# KiCad board 8851_HW-U1-VCU118_REV2-0_071417.kicad_pcb (continued)
## Routing (per net, layer and track width the routed paths; a pad name or vN(x,y) marks a point on that pad's centre or on a via; arc(x,y) is an arc through that point) (continued)
  TOP w0.3: 47.38,65.73 48.42,65.73 v3(48.83,66.14) ; v3(52.6,22.87) 52.4,23.06 51.16,23.06 ; 48.69,22.67 47.42,22.67 v3(47.22,22.87) ; v3(45.41,135.72) 45.66,135.96 45.66,136.68 ; v1(72,76.11) 72.37,76.48 72.83,76.48 ; 46.46,139.43 45.83,139.43 v3(45.67,139.28) ; v5(52.44,18.1) 52.2,18.34 51.16,18.34 ; 51.16,52.96 52.41,52.96 v5(52.61,52.76) ; v5(52.83,21.25) 52.28,20.7 51.16,20.7 ; v3(52.6,48.04) 52.4,48.24 51.16,48.24 ; 210.59,80.39 210.86,80.67 210.86,81.82 ; 4.05,81.02 v3(5.13,81.02) 5.35,80.8 5.85,80.8 L94.1 ; 48.69,32.12 47.96,32.12 47.61,32.46 v5(46.79,32.46) ; 48.69,20.31 46.81,20.31 v5(46.77,20.27) ; 51.16,30.15 52.41,30.15 v3(52.61,29.96) ; 51.16,27.79 52.41,27.79 v3(52.61,27.59) ; 48.69,29.76 v5(47.37,29.76) ; 48.69,45.48 46.81,45.48 v5(46.77,45.45) ; v5(52.6,43.31) 52.4,43.51 51.16,43.51 ; 210.86,102.32 210.86,101.17 210.59,100.89 ; v3(52.6,45.67) 52.4,45.87 51.16,45.87 ; v3(57.73,120.06) 57.73,119.93 U151.A1 ; 48.69,17.94 47.48,17.94 46.96,17.43 v5(46.73,17.43) ; v5(46.8,57.45) 47.28,57.45 47.43,57.29 48.69,57.29 ; 48.69,43.12 47.37,43.12 v5(46.73,42.47) ; v5(46.2,48.22) 46.4,48.03 47.24,48.03 47.42,47.84 48.69,47.84 ; 48.69,52.57 47.43,52.57 v5(47.23,52.76) ; 52.41,32.51 51.16,32.51 ; 210.86,92.07 210.86,90.92 210.59,90.64 211.31,90.64 v3(211.71,90.25) ; 48.69,54.93 v5(47.37,54.93) ; v1(73.58,76.9) 73.01,77.47 72.83,77.47 ; 210.86,112.57 210.86,111.42 210.59,111.14 ; 48.69,27.39 v5(47.37,27.39) ; J22.G1 v3(105.25,163.25)
  TOP w0.375: 98.17,82.03 v2(97.67,82.52) ; v3(40.5,141.65) 39.63,142.52 ; v2(112.44,59.88) 112.93,60.38 ; 130.65,48.57 v2(131.14,48.07) ; v3(105.72,123.14) 106.85,123.14 107.73,122.26 106.86,121.38 v3(105.72,121.38) ; 114.95,30.71 114.71,30.95 v3(114.19,30.95) 114.05,30.81 113.5,30.81 112.25,30.81 ; U111.G7 v6(14.47,133.63) ; U141.E13 v2(98.65,117.44) ; 82.26,58.55 v3(81.56,58.55) ; U142.C9 v2(77.09,119.26) ; C144.2 v3(29.96,145.03) ; 83.25,72.55 83.89,72.55 v3(84,72.44) ; J22.C33 v3(65.25,158.25) ; 230.75,111.64 226.16,111.64 v3(225.62,112.17) ; v3(139.5,101.8) 139.15,101.45 C1731.2 ; v2(130.15,42.17) 129.66,42.66 ; 14.16,109.03 14.16,110.28 14.16,111.14 v3(14,111.3) ; 51.82,123.89 v3(52.6,123.89) ; v3(63.35,81.07) 62.7,81.07 C520.2 62.7,81.94 v3(63.35,81.94) ; J26.1 196.38,128.6 ; J26.1 197.68,127.3 ; J26.1 195.41,126.33 ; J26.1 195.41,128.27 ; J26.1 197.34,126.33 ; J26.1 197.34,128.27 ; J26.1 195.07,127.3 ; v2(105.55,42.17) U1.BF13 ; v2(95.71,43.15) 96.2,43.64 ; 114.1,138.07 MH2.1 ; MH2.1 114.1,132.78 ; MH2.1 120.43,135.43 ; MH2.1 119.4,138.07 ; MH2.1 116.75,139.1 ; MH2.1 119.4,132.78 ; MH2.1 116.75,131.75 ; MH2.1 113.07,135.43 ; J24.1 171.22,143.14 ; J24.1 170.25,140.87 ; J24.1 169.28,141.21 ; J24.1 171.22,141.21 ; J24.1 169.28,143.14 ; J24.1 168.95,142.18 ; J24.1 171.55,142.18 ; J24.1 170.25,143.48 ; J22.J26 v3(74,165.75) ; v2(114.41,63.82) 114.9,64.31 ; v3(22.3,167) 22.3,168.5 21.64,169.16 20.81,169.16 20.66,169.16 20.39,168.89 20.39,168.51 21.18,167.73 v3(21.18,167.05) ; 77.58,115.81 v2(78.07,116.31) ; v2(125.23,87.44) U1.A32 ; J22.F9 v3(95.25,162) ; v3(109,23.54) 108.25,23.54 108,23.29 108,22.29 ; v2(113.42,73.66) 113.91,73.17 ; J22.K24 v3(76.5,167) ; v2(98.66,86.46) U1.B6 ; J2.D16 v3(155.4,159.5) ; v2(113.42,60.87) 113.91,61.36 ; 114.9,70.22 v2(114.41,70.71) ; 181.85,61.98 180.7,61.98 180.43,62.25 ; C1164.2 143.12,101.07 v3(143.54,101.49) ; v3(58.67,6.62) 58.71,6.57 U2.B13 ; v3(121.95,107.85) 121.16,107.85 C1737.2 121.31,106.35 v3(122,106.35) ; U1.BF44 v2(137.04,42.17) ; 229.3,41.77 230.27,40.8 ; 229.3,41.77 228,41.77 ; 229.3,41.77 228.33,42.74 ; 229.3,41.77 230.27,42.74 ; 229.3,41.77 228.33,40.8 ; U1.F8 v2(100.63,82.52) ; EMICAGE1.1 v3(171.73,119.27) ; 227.55,63.97 228.52,63 ; 227.55,63.97 228.52,64.94 ; 227.55,63.97 228.85,63.97 ; 130.65,86.95 v2(131.14,87.44) ; 42.3,121.36 42.3,122.9 41.83,123.37 v3(40.85,123.37) ; 110.96,66.28 v2(110.47,66.77) ; 66.52,54.54 66.03,54.05 v3(65.8,54.05) ; 132.62,52.5 v2(133.11,52.01) ; J22.Y36 v3(61.5,153.25) ; v2(107.52,79.57) 108.01,79.08 ; 153.5,59.5 v1(153.11,59.11) ; 229.3,44.27 230.27,43.3 ; 229.3,44.27 230.27,45.24 ; 229.3,44.27 228.33,45.24 ; 229.3,44.27 228,44.27 ; 229.3,44.27 228.33,43.3 ; 229.3,44.27 229.3,45.57 ; J2.C9 v3(164.15,158.25) ; J22.A8 v3(96.5,155.75) ; 10.93,129.3 v6(10.53,128.91) ; v2(100.63,87.44) 101.12,86.95 ; J2.F27 v3(141.65,162) ; 204.66,156.59 v3(203.91,157.34) ; v2(94.72,43.15) U1.BE2 ; v2(121.3,66.77) 120.8,66.28 ; 120.8,78.09 v2(121.3,78.59) ; J22.M24 v3(76.5,169.5) ; 110.96,68.25 v2(110.47,68.74) ; v3(116.73,103.23) 117.34,103.23 118.14,102.42 117.22,101.5 v3(116.75,101.5) ; v2(131.14,82.52) 130.65,82.03 ; J22.Z27 v3(72.75,154.5) ; 79.32,102.89 79.32,102.39 v3(79.19,102.25) ; 26.43,169.56 27.98,171.1 ; 27.98,171.1 25.87,171.1 ; 27.98,171.1 30.09,171.1 ; v2(115.39,69.73) 115.88,69.24 ; U1.P4 v2(96.69,74.65) ; J22.Y4 v3(101.5,153.25) ; J22.J38 v3(59,165.75) ; 11.72,126.94 v6(11.32,126.54) ; U141.G10 v2(95.7,115.47) ; 155.86,46.42 v1(155.47,46.81) ; 206.83,88.61 206.83,90.25 206.13,90.25 v3(205.85,89.97) ; 196.07,35.05 J38.1 ; J38.1 196.33,35.84 ; J38.1 198.09,36.02 ; J38.1 197.12,36.1 ; J38.1 197.12,33.75 ; v2(99.64,85.48) 100.13,84.98 ; J22.C32 v3(66.5,158.25) ; 116.87,77.11 v2(117.36,77.6) ; U1.R1 v2(93.74,73.66) ; J22.B6 v3(99,157) ; v2(105.55,67.76) 106.04,67.27 ; v2(99.64,47.09) 100.13,47.58 ; J22.F30 v3(69,162) ; v3(117.41,28.59) 117.62,28.81 117.62,29.68 116.25,29.68 ; 117.85,43.64 v2(118.34,43.15) 117.85,42.66 ; v3(79.05,85.54) 77.36,85.54 77.06,85.84 C1488.2 77.06,86.94 77.42,87.3 v3(79.05,87.3) ; v3(121.5,34.35) 120.11,32.96 120.11,31.76 ; 126.6,23.7 MH3.1 ; MH3.1 131.9,18.4 ; MH3.1 132.93,21.05 ; MH3.1 126.6,18.4 ; MH3.1 131.9,23.7 ; MH3.1 125.57,21.05 ; MH3.1 129.25,24.73 ; MH3.1 129.25,17.37 ; 228.33,28.3 229.3,29.27 ; 229.3,29.27 228.33,30.24 ; 229.3,29.27 230.27,30.24 ; 229.3,29.27 230.27,28.3 ; 229.3,29.27 228,29.27 ; 197.96,16.28 v3(196.64,16.28) ; 107.02,64.31 v2(106.53,63.82) ; v2(97.67,85.48) 98.17,84.98 ; J22.H24 v3(76.5,164.5) ; J2.F15 v3(156.65,162) ; J22.G32 v3(66.5,163.25) ; v3(56.99,122.65) 56.7,122.36 56.7,121.67 ; 154.29,78.89 v1(153.9,79.28) ; v2(126.22,78.59) 125.73,78.09 ; 145.13,112.55 145.13,111.81 v3(145.09,111.77) ; 102.45,99.42 v3(102.45,100.17) ; 9.93,101.98 10.9,102.95 ; 10.9,102.95 9.6,102.95 ; 10.9,102.95 9.93,103.92 ; 10.9,102.95 12.2,102.95 ; 10.9,102.95 11.87,101.98 ; 79.55,119.75 v2(80.04,120.24) ; 119.82,46.6 v2(120.31,46.11) ; J2.G8 v3(165.4,163.25) ; v2(102.6,66.77) U1.AB10 ; J2.A5 v3(169.15,155.75) ; J22.G20 v3(81.5,163.25) ; v3(19.77,147.53) 19.77,146.75 19.15,146.13 18.52,146.75 v3(18.52,147.53) ; 116.5,109.82 118.14,109.82 v3(118.46,110.14) 118.14,110.46 116.5,110.46 ; v3(17.02,147.53) 17.02,146.75 16.4,146.13 15.78,146.75 v3(15.78,147.53) ; 18.8,129.3 v6(19.2,128.91) ; 131.63,84.98 v2(132.12,85.48) ; v2(117.36,45.12) 116.87,45.61 ; U141.D8 v2(93.73,118.43) ; J25.1 221.84,15.46 ; J25.1 219.91,15.46 ; J25.1 220.88,17.73 ; J25.1 222.18,16.43 ; J25.1 221.84,17.39 ; J25.1 219.57,16.43 ; J25.1 219.91,17.39 ; J25.1 220.88,15.12 ; 125.73,43.64 v2(126.22,43.15) ; v2(121.3,44.14) 120.8,44.63 ; U1.K25 v2(118.34,78.59) ; 159.8,37.02 v1(159.41,37.41) ; C1140.2 74.51,75.97 v1(74.37,76.11) ; 113.91,69.24 v2(113.42,69.73) ; v2(115.39,43.15) 115.88,43.64 ; J2.B3 v3(171.65,157) ; v3(151.65,159.5) J2.D19 ; C1781.2 v3(46.8,150.53) ; 25.3,113.8 v3(25.3,112.3) ; v2(127.2,51.03) 126.71,51.52 ; 153.78,127.83 152.97,127.83 v3(152.47,128.33) ; 82.26,66.05 v3(81.62,66.05) ; MH4.1 8.02,146.46 ; MH4.1 8.02,141.16 ; MH4.1 9.05,143.81 ; MH4.1 5.38,147.49 ; MH4.1 1.7,143.81 ; MH4.1 2.73,141.16 ; MH4.1 5.38,140.14 ; MH4.1 2.73,146.46 ; 132.62,62.35 v2(133.11,61.85) ; v2(139.01,74.65) U1.P46 ; Q5.2 v3(213.91,152.75) ; J36.1 28.25,66.6 ; J36.1 29.55,64 ; J36.1 26.95,66.6 ; J36.1 26.95,64 ; J36.1 28.25,64 ; J2.A28 v3(140.4,155.75) ; J22.G11 v3(92.75,163.25) ; v2(98.66,87.44) U1.A6 ; v2(115.39,56.93) 115.88,57.42 115.88,57.42 ; v2(106.53,80.55) 107.02,80.06 ; 231.33,81.14 232.3,80.17 ; 232.3,80.17 231.33,79.21 ; 232.3,80.17 231,80.17 ; 94.33,99.3 94.33,99.83 94.1,100.06 v3(94.1,100.14) ; v2(109.49,54.96) 109.98,55.46 ; 155.08,91.98 v1(154.68,92.37) ; 82.26,62.3 81.67,62.3 v3(81.62,62.35) ; J22.B34 v3(64,157) ; J2.B22 v3(147.9,157) ; U1.T40 v2(133.11,72.68) ; U1.BE45 v2(138.03,43.15) ; Q34.2 3.13,134.67 3.25,134.55 v3(3.25,134.18) 2.89,133.82 R97.2 ; 162.16,86.47 v1(162.56,86.07) ; J22.H39 v3(57.75,164.5) ; J2.B11 v3(161.65,157) ; 155.08,36.23 v1(154.68,36.62) ; J22.K27 v3(72.75,167) ; J22.A33 v3(65.25,155.75) ; 214.28,156.59 v3(213.66,157.22) ; v2(109.49,80.55) 109.98,80.06 ; J22.H12 v3(91.5,164.5) ; v2(98.66,85.48) U1.C6 ; v2(111.45,46.11) 111.95,46.6 ; 109.98,84 v2(109.49,84.49) ; v2(134.09,69.73) 133.6,69.24 ; J22.C21 v3(80.25,158.25) ; v3(191.02,133.32) 190.75,133.59 Q9.5 ; 103.09,84.98 v2(102.6,85.48) ; 158.23,51.14 v1(157.83,51.53) ; v2(102.6,82.52) 103.09,82.03 ; 150.19,135.62 v3(150.19,134.62) ; v2(99.65,116.46) 100.74,116.46 101.52,117.25 C1232.2 ; v3(81.62,86.04) 81.63,86.05 82.26,86.05 ; v2(132.12,54.96) U1.AN39 ; 214.21,91.75 v3(213.35,91.75) ; 122.25,113.66 v3(121.1,113.66) ; J2.H30 v3(137.9,164.5) ; v2(137.04,85.48) U1.C44 ; J22.F36 v3(61.5,162) ; 130.65,46.6 v2(131.14,46.11) ; J2.E20 v3(150.4,160.75) ; J2.J14 v3(157.9,165.75) ; 117.85,65.3 v2(118.34,65.79) ; 204.05,79.74 204.05,81.12 v3(204.21,81.28) ; J2.J5 v3(169.15,165.75) ; 120.8,46.6 v2(121.3,46.11) ; J22.E14 v3(89,160.75) ; 161.38,37.02 v1(160.98,37.41) ; v2(125.23,81.54) 124.74,81.05 ; 159.8,30.72 v1(160.19,30.32) ; 103.09,49.55 v2(102.6,49.06) ; 120.8,50.53 v2(121.3,50.04) ; R1325.2 v3(7.22,74.61) ; J2.F9 v3(164.15,162) ; v3(138.91,21.91) 138.71,22.11 137.78,22.11 ; 97.18,86.95 v2(96.69,87.44) ; J22.B14 v3(89,157) ; v2(137.04,70.71) U1.V44 ; C1666.2 v3(186.69,56.93) ; 95.21,50.53 v2(94.72,50.04) ; 155.08,50.35 v1(154.68,50.75) ; J22.D25 v3(75.25,159.5) ; U141.M4 v2(88.81,109.57) ; v2(124.25,69.73) 123.76,69.24 ; v2(137.04,80.55) U1.H44 ; 114.9,68.25 v2(114.41,68.74) ; v3(114.92,143.55) 115.49,143.55 116.19,144.25 116.19,144.7 115.59,145.3 v3(114.88,145.3) ; v2(108.5,45.12) 108.99,45.61 ; 155.08,59.5 v1(154.68,59.11) ; 107.02,85.97 v2(106.53,86.46) ; J22.B35 v3(62.75,157) ; 108.01,84.98 v2(107.52,85.48) ; v1(67.28,48.36) 64.62,48.36 64.12,48.86 64.64,49.38 66.22,49.38 66.78,49.94 v1(67.28,49.94) ; J2.K18 v3(152.9,167) ; v2(123.26,61.85) 122.77,62.35 ; v1(72,76.11) 72.13,75.99 C1138.2 ; J2.E8 v3(165.4,160.75) ; v2(135.08,66.77) U1.AB42 ; J22.A32 v3(66.5,155.75) ; v3(64.01,5.9) 63.63,5.52 U2.A18 ; 134.58,76.12 v2(135.08,76.62) ; U141.A2 v2(86.84,121.38) ; v2(120.31,67.76) 119.82,67.27 ; v3(81.62,61.01) 82.22,61.01 82.26,61.05 ; 99.15,68.25 v2(98.66,68.74) ; v3(71.7,85.55) 73.33,85.55 73.69,85.91 73.69,86.42 73.69,87.16 73.54,87.31 v3(71.7,87.31) ; 122.77,58.41 v2(123.26,57.92) ; J2.A21 v3(149.15,155.75) ; v2(113.42,78.59) 113.91,78.09 ; v2(129.17,45.12) 128.68,45.61 ; 143.5,98.29 143.5,98.79 v3(144.26,99.55) 144.26,100.55 ; J2.A32 v3(135.4,155.75) ; X5.4 v3(78.78,29.95) ; U167.17 135.96,104.89 ; U167.17 v3(138.52,105.42) ; U167.17 135.91,106.02 v3(134.31,106.02) ; 135.96,104.89 v3(134.31,104.89) ; 135.96,104.89 134.9,103.82 134.9,101.82 134.64,101.56 134.25,101.56 134.07,101.38 134.07,100.89 ; 128.68,85.97 v2(129.17,86.46) ; 102.1,69.24 v2(101.61,69.73) ; 109.98,59.39 v2(109.49,58.9) ; v2(129.17,82.52) 128.68,82.03 ; J22.A16 v3(86.5,155.75) ; 102.1,82.03 v2(101.61,82.52) ; 159.8,92.77 v1(159.41,93.16) ; v2(103.58,43.15) 104.07,43.64 ; v2(120.31,69.73) 119.82,69.24 ; 116.87,72.19 v2(117.36,72.68) ; 210.59,100.89 211.31,100.89 v3(211.71,100.5) ; v3(205.83,99.28) 206.42,99.28 206.83,98.86 ; 26.51,126.16 27.48,125.19 ; 26.51,126.16 26.51,124.86 ; 26.51,126.16 25.54,125.19 ; 26.51,126.16 25.54,127.13 ; 26.51,126.16 25.21,126.16 ; 108.99,85.97 v2(108.5,86.46) ; 135.57,42.66 v2(136.06,42.17) ; J22.G38 v3(59,163.25) ; J2.J29 v3(139.15,165.75) ; J22.H33 v3(65.25,164.5) ; C1292.2 101.49,112.27 v3(101.65,112.42) ; J2.G26 v3(142.9,163.25) ; C185.2 211.96,56.53 v3(212.38,56.95) ; v2(119.33,66.77) 118.84,66.28 ; 203.38,146.18 v3(203.38,145.42) 203.38,144.55 ; J22.E5 v3(100.25,160.75) ; J22.M28 v3(71.5,169.5) ; v2(99.64,42.17) 100.13,42.66 ; v2(130.15,43.15) 129.66,43.64 ; J2.J20 v3(150.4,165.75) ; v3(205.72,100.22) 206.01,100.5 206.83,100.5 ; 228,31.77 229.3,31.77 ; 229.3,31.77 228.33,30.8 ; 229.3,31.77 230.27,32.74 ; 229.3,31.77 228.33,32.74 ; 229.3,31.77 230.27,30.8 ; J22.E4 v3(101.5,160.75) ; Z1.2 210.97,65.67 211.59,66.3 v3(211.59,67.05) ; MH7.1 11.05,93.22 ; MH7.1 3.7,93.22 ; MH7.1 10.02,90.58 ; MH7.1 7.38,89.55 ; MH7.1 10.02,95.87 ; MH7.1 4.73,95.87 ; MH7.1 4.73,90.58 ; MH7.1 7.38,96.9 ; U1.AP46 v2(139.01,53.98) ; 215.71,116.15 v3(215.71,117.09) ; v2(104.56,80.55) 105.06,80.06 ; v2(94.72,82.52) 95.21,82.03 ; J22.A4 v3(101.5,155.75) ; 125.73,44.63 v2(126.22,44.14) ; 71.68,109.91 v2(71.18,109.41) ; J22.D28 v3(71.5,159.5) ; v2(123.26,66.77) 122.77,66.28 ; v2(134.09,44.14) U1.BD41 ; 155.86,86.47 v1(155.47,86.07) ; J22.C40 v3(56.5,158.25) ; 108.01,61.36 v2(107.52,60.87) ; J22.A13 v3(90.25,155.75) ; J2.D10 v3(162.9,159.5) ; v2(130.15,44.14) 129.66,44.63 ; EMICAGE1.9 v3(226.39,81.77) ; v2(103.58,83.51) 104.07,83.01 ; v3(90.12,32.48) 90.12,31.44 90.64,30.93 91.22,31.51 v3(91.22,32.48) ; 118.84,77.11 v2(119.33,77.6) ; 82.26,71.17 v3(81.62,71.17) ; J22.A17 v3(85.25,155.75) ; v2(102.6,44.14) 103.09,44.63 ; C1669.2 174.25,58.33 v3(174.38,58.45) ; J22.M33 v3(65.25,169.5) ; J22.M40 v3(56.5,169.5) ; 195.12,15.3 196.09,14.33 ; 195.12,15.3 196.43,15.3 ; 195.12,15.3 195.12,14 ; v2(128.19,56.93) 127.69,57.42 127.69,57.42 ; v2(95.71,67.76) 96.2,67.27 ; v2(110.47,52.01) 110.96,52.5 ; v5(52.61,55.13) 52.41,55.32 51.16,55.32 ; 214.21,115.36 v3(214.21,116.12) ; 83.25,75.5 83.45,75.5 84,76.05 v3(84,76.09) ; 214.21,89.63 213.68,89.63 213.34,89.97 v2(212.92,89.97) ; J22.Z31 v3(67.75,154.5) ; v2(129.17,44.14) 128.68,44.63 ; 41.3,142.94 v3(40.55,142.94) ; J22.L7 v3(97.75,168.25) ; 80.02,60.67 78.89,60.67 ; 118.84,74.16 v2(119.33,74.65) ; 116.87,74.16 v2(117.36,74.65) ; 150.19,140.31 v3(150.19,141.3) ; v3(14.16,105.71) 14.16,106.53 14.16,107.78 ; v3(152.32,104.07) 152.56,104.31 152.56,104.92 C206.2 153.79,105.23 v3(153.79,104.04) ; 128.68,74.16 v2(129.17,74.65) ; v2(133.11,45.12) 132.62,45.61 ; v2(119.33,44.14) 118.84,44.63 ; J22.M8 v3(96.5,169.5) ; J2.E23 v3(146.65,160.75) ; v2(137.04,50.04) U1.AV44 ; J22.B15 v3(87.75,157) ; 164.53,86.47 v1(164.92,86.07) ; U1.C16 v2(108.5,85.48) ; v3(111.22,30.12) 110.87,30.48 110.87,30.81 108.72,30.81 v3(108.65,30.88) ; 82.26,87.3 81.69,87.3 81.62,87.38 v3(81.62,87.4) ; v1(75.94,48.36) 76.51,47.8 C348.2 76.51,47.66 77.49,47.66 ; v2(114.41,76.62) 114.9,76.12 ; v2(114.41,45.12) U1.BC22 ; v2(99.64,44.14) 100.13,44.63 ; 109.98,48.57 v2(109.49,48.07) ; 111.95,57.42 111.95,57.42 v2(111.45,56.93) ; v2(103.58,80.55) U1.H11 ; 38.72,98.24 v3(38.72,99.05) ; v3(123.97,132.03) 123.97,131.34 123.38,130.74 122.58,131.54 v3(122.58,131.97) ; C955.2 70.15,83.91 ; J22.C16 v3(86.5,158.25) ; 108.01,47.58 v2(107.52,47.09) ; v2(119.33,45.12) 118.84,45.61 ; 228,34.27 229.3,34.27 ; 229.3,34.27 230.27,35.24 ; 229.3,34.27 228.33,35.24 ; 229.3,34.27 230.27,33.3 ; 229.3,34.27 228.33,33.3 ; v4(215.51,79.55) 215.71,79.75 215.71,80.72 ; 130.65,78.09 v2(131.14,78.59) ; J22.G5 v3(100.25,163.25) ; v2(111.45,62.84) 111.95,63.33 ; 108.99,50.53 v2(108.5,50.04) ; J2.C13 v3(159.15,158.25) ; U111.E5 v6(12.9,135.21) ; 155.08,64.23 v1(154.68,64.62) ; v2(105.55,80.55) 106.04,80.06 ; U142.J3 v2(70.2,112.37) ; U1.U37 v2(130.15,71.7) ; v3(205.74,110.47) 206.03,110.75 206.83,110.75 ; 104.07,73.17 v2(103.58,73.66) ; J22.Z35 v3(62.75,154.5) ; 228.33,35.8 229.3,36.77 ; 229.3,36.77 230.27,37.74 ; 229.3,36.77 228,36.77 ; 229.3,36.77 228.33,37.74 ; 229.3,36.77 230.27,35.8 ; 193.34,132.92 193.34,134.22 ; 193.34,132.92 194.64,132.92 ; 193.34,132.92 194.31,131.95 ; 193.34,132.92 193.34,131.62 ; 193.34,132.92 194.31,133.89 ; v3(104,159.5) J22.D2 ; EMICAGE1.15 v3(196.08,123.55) ; v3(129.32,113.05) 129.32,111.78 130.04,111.07 130.92,111.95 v3(130.92,113.06) ; U111.H8 v6(15.26,132.84) ; v2(111.45,78.59) 111.95,78.09 ; 119.82,47.58 v2(120.31,47.09) ; v3(139.04,142.97) 138.28,142.97 137.81,143.44 C1633.2 137.81,144.66 138.28,145.13 v3(139.13,145.13) ; v2(112.44,50.04) 112.93,50.53 ; 152.71,36.23 v1(152.32,36.62) ; 153.5,31.5 v1(153.11,31.11) ; U19.13 61.45,138.37 v3(61.64,138.56) ; 155.86,58.72 v1(155.47,58.32) ; v2(100.63,46.11) 101.12,46.6 ; 132.62,84.98 v2(133.11,85.48) ; v2(114.41,74.65) 114.9,74.16 ; v3(66.39,67.72) 66.52,67.84 66.52,68.42 ; 155.86,65.02 v1(155.47,65.41) ; 109.98,84.98 v2(109.49,85.48) ; v2(114.41,59.88) 114.9,60.38 ; J22.Y33 v3(65.25,153.25) ; v2(97.67,51.03) 98.17,51.52 ; 118.84,49.55 v2(119.33,49.06) ; 109.98,75.14 v2(109.49,75.63) ; J27.1 48.97,97.39 ; J27.1 47.03,95.46 ; J27.1 47.03,97.39 ; J27.1 48,97.73 ; J27.1 49.3,96.42 ; J27.1 46.7,96.42 ; J27.1 48,95.12 ; J27.1 48.97,95.46 ; v3(128.98,26.09) C1752.2 129.76,27.27 v3(129.76,26.12) ; 119.22,99.42 v3(119.22,100.17) ; 122.77,45.61 v2(123.26,45.12) ; J22.J8 v3(96.5,165.75) ; U141.G13 v2(98.65,115.48) ; U141.B4 v2(88.81,120.4) ; 74.63,113.85 v2(75.12,113.35) ; J22.Z19 v3(82.75,154.5) ; v2(114.41,51.03) 114.9,51.52 ; U1.B2 v2(94.72,86.46) ; 179.42,58.43 v3(179.42,57.62) ; J22.B7 v3(97.75,157) ; 191.33,19.73 v3(191.33,18.32) ; v3(122.42,124.17) 121.36,124.17 C1740.2 121.33,125.4 v3(122.45,125.4) ; J22.L22 v3(79,168.25) ; U1.BA41 v2(134.09,47.09) ; 56.56,115.94 56.56,115.49 v3(56.77,115.27) ; 155.08,31.5 v1(154.68,31.11) ; 82.26,78.55 v3(81.62,78.55) ; J22.D13 v3(90.25,159.5) ; U111.E9 v6(16.83,135.21) ; Q24.2 202.76,156.79 v3(203.25,156.79) ; v3(62.68,90.21) 61.91,90.21 C517.2 61.91,89.34 62.91,89.34 v3(63.18,89.6) ; 77.58,109.91 v2(78.07,109.41) ; v2(135.08,55.95) 134.58,56.44 ; v2(137.04,87.44) U1.A44 ; 160.59,30.72 v1(160.98,30.32) ; v2(97.67,60.87) U1.AG5 ; 129.66,51.52 v2(130.15,51.03) ; 120.8,77.11 v2(121.3,77.6) ; v2(121.3,45.12) 120.8,45.61 ; 155.86,74.17 v1(155.47,74.56) ; 131.63,47.58 v2(132.12,47.09) ; 80.57,99.52 80.57,99.35 80.04,98.82 79.45,98.82 v3(79.43,98.79) ; 153.5,87.25 v1(153.11,86.86) ; 164.53,58.72 v1(164.92,58.32) ; v2(101.61,84.49) 102.1,84 ; U1.AR11 v2(103.58,52.99) ; v3(46.17,141.48) 46.25,141.55 46.25,142.36 47,143.11 47.58,143.11 47.95,142.75 v3(47.95,141.35) 47.95,140.95 Q18.2 ; v2(113.42,62.84) 113.91,63.33 ; 153.5,73.38 v1(153.11,72.99) ; U1.AE43 v2(136.06,62.84) ; v2(101.61,44.14) U1.BD9 ; 158.23,92.77 v1(157.83,93.16) ; J22.L23 v3(77.75,168.25) ; J22.C13 v3(90.25,158.25) ; 119.82,42.66 v2(120.31,43.15) 119.82,43.64 ; J2.A12 v3(160.4,155.75) ; 116.87,86.95 v2(117.36,87.44) ; J2.F3 v3(171.65,162) ; 102.1,79.08 v2(101.61,79.57) ; U1.M10 v2(102.6,76.62) ; EMICAGE1.14 v3(208.58,123.55) ; J22.G14 v3(89,163.25) ; J2.B39 v3(126.65,157) ; v2(127.2,70.71) 126.71,70.22 ; J2.F36 v3(130.4,162) ; J2.G35 v3(131.65,163.25) ; v3(151.28,97.39) 151.12,97.55 C1158.2 ; 21.16,130.09 v6(21.56,129.69) ; EMICAGE1.8 v3(214.41,77.5) ; 99.38,99.42 99.38,100.1 v3(99.45,100.17) ; v2(112.44,76.62) 112.93,76.12 ; 31.25,144.77 v3(31.25,145.55) ; 148.69,139.39 v3(148.69,140.28) ; 159.62,24.79 159.63,24.79 161.38,24.79 161.45,24.86 X6.4 162.61,25.69 161.69,26.61 v3(161.69,27.5) ; v2(115.39,47.09) 115.88,47.58 ; 107.02,86.95 v2(106.53,87.44) ; J22.G29 v3(70.25,163.25) ; U1.A12 v2(104.56,87.44) ; v2(93.74,44.14) U1.BD1 ; J2.C5 v3(169.15,158.25) ; 180.43,62.25 v3(178.85,62.25) ; 180.43,62.25 180.43,61.05 v3(180.2,60.83) ; v3(140.22,109.42) 140.29,109.36 143.01,109.36 v3(143.95,110.3) ; J2.H39 v3(126.65,164.5) ; v2(94.72,70.71) 95.21,70.22 ; 82.26,46.17 82.26,47.42 81.58,47.42 81.54,47.39 81.54,47.36 v3(81.51,47.36) ; v3(62.68,92.32) 61.91,92.32 C516.2 61.91,91.44 v3(62.68,91.44) ; 148.69,136.16 v4(148.69,135.41) ; J22.B18 v3(84,157) ; U1.BF33 v2(126.22,42.17) ; 212.28,156.59 v3(211.57,157.3) ; v2(110.47,45.12) 110.96,45.61 ; v2(101.61,51.03) U1.AU9 ; v2(124.25,80.55) U1.H31 ; 133.88,30.68 133.88,30.3 133.5,29.92 v3(133.19,29.92) 132.98,29.92 132.63,30.28 132.63,30.68 ; J22.J4 v3(101.5,165.75) ; v2(114.41,87.44) U1.A22 ; J2.F33 v3(134.15,162) ; J22.Y37 v3(60.25,153.25) ; 4.05,68.4 5.09,68.4 v3(5.11,68.37) 5.59,67.9 L35.1 ; J2.C29 v3(139.15,158.25) ; v2(123.26,51.03) U1.AU30 ; U1.L3 v2(95.71,77.6) ; 118.84,62.35 v2(119.33,61.85) ; U141.J7 v2(91.76,112.52) ; v3(226.5,92.92) 226.5,93.92 226.85,94.27 EMICAGE1.10 ; 123.76,42.66 v2(124.25,42.17) ; 141.43,135.8 v3(140.49,135.8) ; U141.J11 v2(96.68,112.52) ; J22.H9 v3(95.25,164.5) ; v3(16.38,92.3) 16.38,90.79 15.83,90.25 15.3,90.77 v3(15.3,92.33) ; v2(109.49,69.73) 109.98,69.24 ; v3(67.26,102.15) 66.82,102.59 66.82,102.89 ; J22.Y12 v3(91.5,153.25) ; v3(226.87,102.43) 226.87,103.37 227.2,103.69 227.79,103.69 228.31,104.22 EMICAGE1.11 ; v2(121.3,53.98) 120.8,54.47 ; 114.9,66.28 v2(114.41,66.77) ; v3(80.6,71.79) 80.48,71.67 78.93,71.67 78.69,71.91 C1487.2 v3(80.69,72.55) ; 117.85,73.17 v2(118.34,73.66) ; J22.Y13 v3(90.25,153.25) ; 16.44,136.39 v6(16.83,136.78) ; U141.M12 v2(97.67,109.57) ; 158.23,37.02 v1(157.83,37.41) ; v2(124.25,83.51) 123.76,83.01 ; v2(107.52,80.55) 108.01,80.06 ; J22.B31 v3(67.75,157) ; 94.23,84 v2(93.74,84.49) ; 82.26,59.8 v3(81.62,59.8) ; J2.K36 v3(130.4,167) ; 160.59,72.59 v1(160.98,72.2) ; J22.Z34 v3(64,154.5) ; 155.86,78.89 v1(155.47,79.28) ; 127.69,84.98 v2(128.19,85.48) ; 140.15,24.52 139.77,24.52 v3(139.5,24.25) ; v3(84,70.25) 83.91,70.15 83.25,70.15 ; J2.D2 v3(172.9,159.5) ; J22.D37 v3(60.25,159.5) ; v2(123.26,68.74) 122.77,68.25 ; J22.G35 v3(62.75,163.25) ; 15.65,130.88 v6(15.26,130.48) 